# KiCad board scanhead_pcb.kicad_pcb (continued)
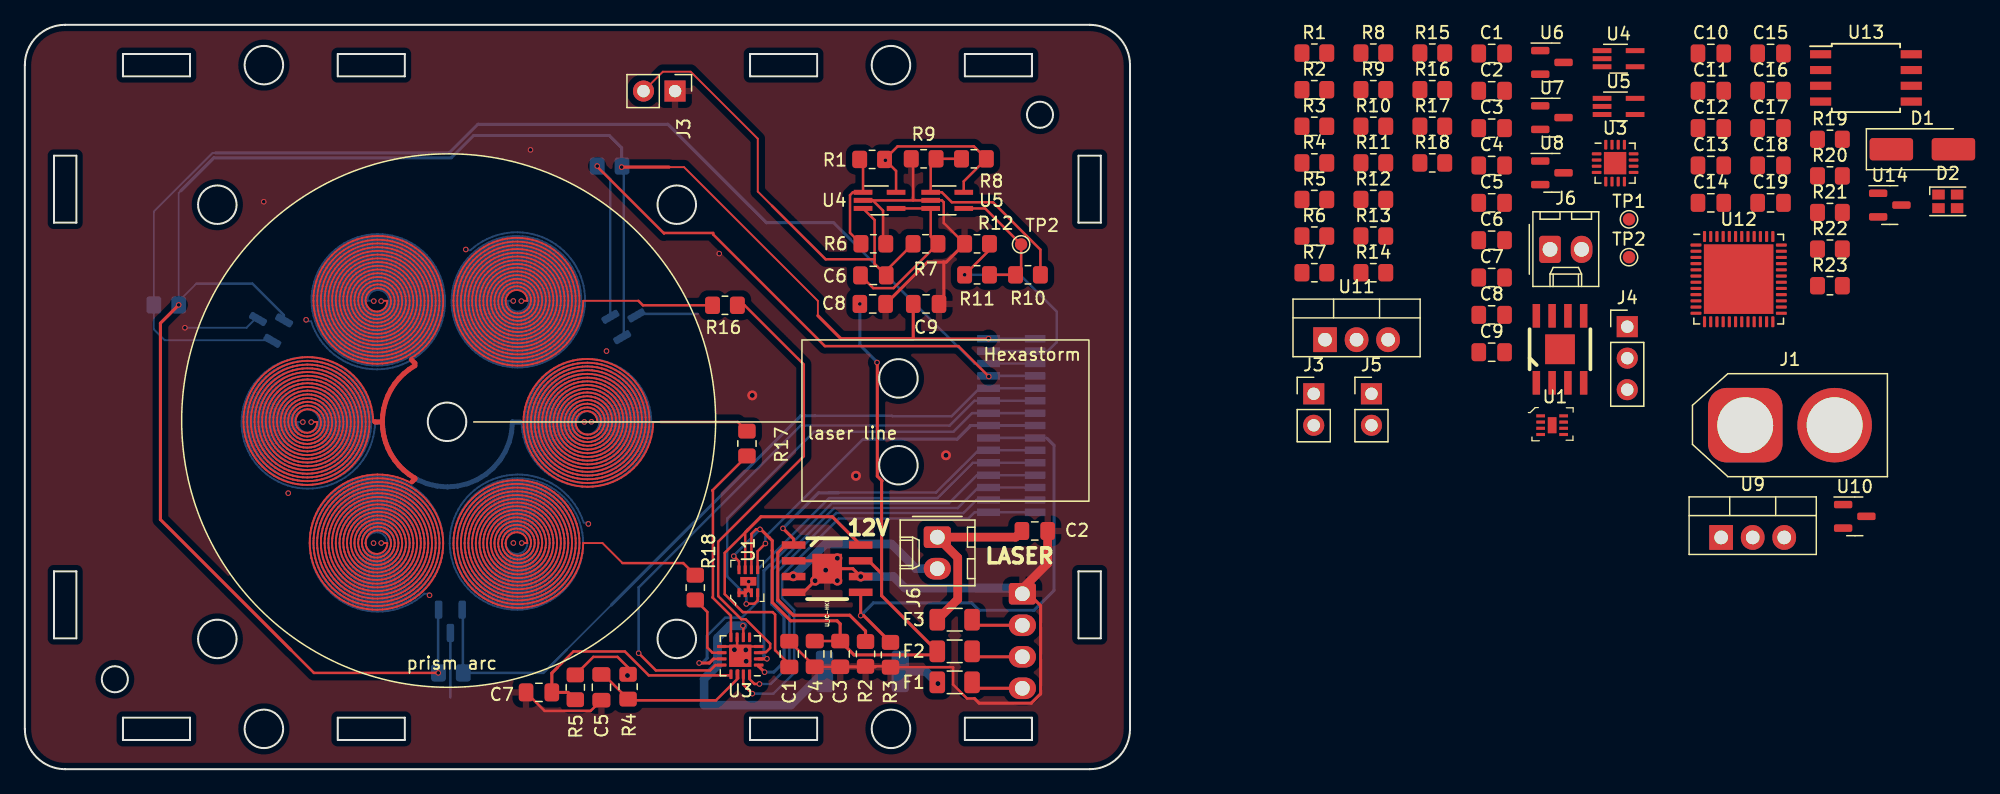
[diagram p0: board, top side]
## Routing (per net, layer and track width the routed paths; a pad name or vN(x,y) marks a point on that pad's centre or on a via; arc(x,y) is an arc through that point) (continued)
  In1.Cu w0.4: 31.12,32.96 31.41,32.68 31.41,32.53 30.73,32.06 30.13,31.49 29.63,30.84 29.24,30.12 28.97,29.34 28.82,28.54 28.8,27.72 28.9,26.9 29.14,26.11 29.49,25.37 29.96,24.69 30.52,24.1 31.17,23.6 31.9,23.2 32.67,22.93 33.48,22.78 34.3,22.76 35.12,22.87 35.9,23.1 36.65,23.45 36.65,23.15 36.87,22.92
  In2.Cu w0.15: 36.9,32.95 37.27,32.76 37.65,32.6 38.04,32.46 38.44,32.36 38.85,32.29 39.26,32.24 39.68,32.23 40.09,32.25 40.5,32.3 40.9,32.38 41.3,32.49 41.69,32.63 42.06,32.8 42.43,32.99 42.77,33.22 43.1,33.46 43.41,33.73 43.7,34.03 43.96,34.34 44.2,34.67 44.42,35.02 44.61,35.38 44.77,35.76 44.9,36.15 45,36.54 45.07,36.94 45.11,37.35 45.13,37.76 45.11,38.16 45.06,38.57 44.98,38.97 44.87,39.36 44.73,39.74 44.57,40.11 44.37,40.47 44.16,40.81 43.91,41.14 43.65,41.44 43.36,41.72 43.05,41.98 42.72,42.22 42.38,42.43 42.02,42.62 41.65,42.78 41.26,42.91 40.87,43.01 40.48,43.08 40.08,43.12 39.68,43.13 39.28,43.11 38.88,43.07 38.48,42.99 38.1,42.88 37.72,42.74 37.35,42.58 37,42.39 36.66,42.17 36.35,41.93 36.04,41.67 35.77,41.39 35.51,41.08 35.27,40.76 35.06,40.42 34.88,40.07 34.73,39.7 34.6,39.32 34.5,38.94 34.43,38.55 34.39,38.15 34.38,37.76 34.4,37.34 34.45,36.93 34.53,36.52 34.65,36.12 34.8,35.74 34.97,35.36 35.18,35 35.41,34.66 35.67,34.34 35.96,34.04 36.26,33.76 36.59,33.51 36.93,33.28 37.29,33.08 37.67,32.91 38.06,32.77 38.45,32.67 38.86,32.59 39.27,32.54 39.68,32.53 40.09,32.55 40.49,32.6 40.89,32.69 41.29,32.8 41.67,32.95 42.04,33.12 42.39,33.32 42.73,33.55 43.05,33.81 43.34,34.09 43.62,34.39 43.87,34.71 44.09,35.05 44.29,35.41 44.45,35.78 44.59,36.16 44.7,36.55 44.77,36.95 44.81,37.35 44.83,37.76 44.81,38.16 44.76,38.56 44.67,38.96 44.56,39.34 44.42,39.72 44.25,40.09 44.05,40.43 43.82,40.77 43.57,41.08 43.29,41.37 42.99,41.64 42.68,41.89 42.34,42.11 41.99,42.3 41.63,42.46 41.25,42.6 40.86,42.7 40.47,42.78 40.07,42.82 39.68,42.83 39.28,42.81 38.88,42.76 38.49,42.68 38.11,42.57 37.74,42.43 37.38,42.26 37.04,42.06 36.71,41.84 36.4,41.59 36.11,41.32 35.85,41.03 35.61,40.71 35.39,40.38 35.2,40.04 35.04,39.68 34.91,39.31 34.8,38.93 34.73,38.54 34.69,38.15 34.68,37.76 34.7,37.34 34.75,36.94 34.84,36.53 34.96,36.14 35.12,35.76 35.3,35.39 35.51,35.04 35.76,34.71 36.02,34.4 36.32,34.11 36.63,33.85 36.97,33.61 37.32,33.41 37.69,33.23 38.07,33.08 38.46,32.97 38.86,32.89 39.27,32.85 39.68,32.83 40.08,32.85 40.49,32.91 40.88,32.99 41.27,33.11 41.65,33.27 42.01,33.45 42.36,33.66 42.68,33.9 42.99,34.16 43.27,34.45 43.53,34.76 43.76,35.09 43.96,35.44 44.14,35.8 44.28,36.18 44.39,36.56 44.47,36.96 44.51,37.36 44.53,37.76 44.51,38.16 44.45,38.55 44.37,38.95 44.25,39.33 44.1,39.7 43.92,40.05 43.71,40.4 43.48,40.72 43.22,41.02 42.93,41.3 42.63,41.55 42.3,41.78 41.96,41.98 41.6,42.15 41.23,42.29 40.85,42.4 40.46,42.48 40.07,42.52 39.68,42.53 39.28,42.51 38.89,42.46 38.51,42.37 38.13,42.26 37.77,42.11 37.42,41.94 37.08,41.73 36.76,41.5 36.47,41.24 36.19,40.96 35.94,40.66 35.72,40.34 35.52,40.01 35.35,39.65 35.22,39.29 35.11,38.91 35.03,38.53 34.99,38.15 34.98,37.76 35,37.35 35.06,36.94 35.15,36.54 35.28,36.16 35.44,35.78 35.63,35.42 35.85,35.08 36.1,34.76 36.38,34.46 36.68,34.19 37.01,33.95 37.35,33.73 37.71,33.55 38.09,33.4 38.48,33.28 38.87,33.19 39.27,33.15 39.68,33.13 40.08,33.15 40.48,33.21 40.87,33.3 41.25,33.43 41.62,33.58 41.98,33.77 42.31,33.99 42.63,34.24 42.92,34.51 43.19,34.81 43.43,35.13 43.64,35.47 43.82,35.83 43.97,36.2 44.08,36.58 44.17,36.97 44.21,37.36 44.23,37.76 44.2,38.15 44.15,38.55 44.06,38.93 43.94,39.31 43.78,39.67 43.6,40.02 43.38,40.35 43.14,40.66 42.87,40.95 42.57,41.21 42.26,41.45 41.93,41.65 41.58,41.83 41.21,41.98 40.84,42.09 40.45,42.17 40.07,42.22 39.68,42.23 39.29,42.21 38.9,42.16 38.52,42.07 38.15,41.95 37.79,41.79 37.45,41.61 37.13,41.4 36.82,41.16 36.54,40.9 36.28,40.61 36.05,40.3 35.84,39.97 35.67,39.63 35.53,39.27 35.41,38.9 35.34,38.52 35.29,38.14 35.28,37.76 35.3,37.35 35.36,36.95 35.46,36.56 35.59,36.17 35.76,35.81 35.96,35.46 36.19,35.12 36.45,34.82 36.74,34.54 37.05,34.28 37.39,34.06 37.74,33.87 38.11,33.71 38.49,33.58 38.88,33.5 39.28,33.45 39.68,33.43 40.08,33.46 40.47,33.51 40.86,33.61 41.23,33.74 41.59,33.91 41.94,34.1 42.26,34.33 42.57,34.59 42.84,34.87 43.09,35.18 43.31,35.51 43.5,35.85 43.66,36.22 43.78,36.59 43.86,36.97 43.91,37.36 43.93,37.76 43.9,38.15 43.85,38.54 43.75,38.92 43.62,39.29 43.46,39.64 43.27,39.98 43.04,40.3 42.79,40.6 42.51,40.87 42.21,41.11 41.89,41.33 41.55,41.51 41.19,41.67 40.82,41.79 40.45,41.87 40.06,41.92 39.68,41.93 39.29,41.91 38.91,41.85 38.54,41.76 38.17,41.63 37.83,41.48 37.49,41.28 37.18,41.06 36.89,40.82 36.62,40.54 36.38,40.25 36.17,39.93 35.99,39.59 35.84,39.24 35.72,38.88 35.64,38.51 35.59,38.14 35.58,37.76 35.6,37.36 35.66,36.96 35.77,36.57 35.91,36.2 36.08,35.84 36.29,35.5 36.53,35.18 36.8,34.88 37.1,34.62 37.42,34.39 37.77,34.19 38.13,34.02 38.5,33.89 38.89,33.8 39.28,33.75 39.68,33.73 40.07,33.76 40.46,33.82 40.84,33.92 41.21,34.06 41.56,34.23 41.9,34.43 42.21,34.67 42.5,34.94 42.76,35.23 42.98,35.55 43.18,35.88 43.34,36.24 43.47,36.61 43.56,36.99 43.61,37.37 43.63,37.76 43.6,38.14 43.54,38.53 43.44,38.9 43.31,39.26 43.14,39.61 42.94,39.94 42.7,40.24 42.44,40.52 42.16,40.78 41.84,41 41.51,41.2 41.17,41.35 40.81,41.48 40.43,41.57 40.06,41.62 39.68,41.63 39.3,41.61 38.92,41.55 38.56,41.45 38.2,41.32 37.86,41.15 37.54,40.96 37.24,40.73 36.96,40.47 36.71,40.19 36.49,39.88 36.3,39.56 36.15,39.22 36.03,38.86 35.94,38.5 35.89,38.13 35.88,37.76 35.9,37.36 35.97,36.97 36.08,36.59 36.22,36.22 36.41,35.87 36.63,35.54 36.88,35.24 37.16,34.96 37.47,34.72 37.8,34.51 38.15,34.34 38.52,34.2 38.9,34.1 39.29,34.05 39.68,34.03 40.07,34.06 40.45,34.12 40.82,34.23 41.18,34.37 41.53,34.55 41.85,34.77 42.15,35.02 42.41,35.29 42.65,35.59 42.86,35.92 43.03,36.26 43.16,36.62 43.26,37 43.31,37.38 43.33,37.76 43.3,38.14 43.24,38.51 43.13,38.88 42.99,39.23 42.82,39.57 42.61,39.89 42.36,40.18 42.09,40.44 41.8,40.67 41.48,40.88 41.14,41.04 40.79,41.17 40.42,41.26 40.05,41.32 39.68,41.33 39.3,41.31 38.94,41.24 38.58,41.14 38.23,41.01 37.9,40.83 37.59,40.63 37.31,40.39 37.05,40.12 36.82,39.83 36.62,39.52 36.46,39.19 36.33,38.84 36.24,38.49 36.19,38.12 36.18,37.76 36.2,37.37 36.27,36.98 36.39,36.61 36.54,36.25 36.74,35.91 36.97,35.6 37.23,35.31 37.52,35.05 37.84,34.83 38.18,34.65 38.54,34.51 38.91,34.41 39.29,34.35 39.68,34.33 40.06,34.36 40.44,34.43 40.8,34.54 41.15,34.69 41.48,34.88 41.79,35.1 42.07,35.36 42.32,35.65 42.54,35.96 42.71,36.29 42.85,36.65 42.95,37.01 43.01,37.38 43.03,37.76 43,38.13 42.93,38.5 42.82,38.86 42.68,39.2 42.49,39.53 42.27,39.83 42.02,40.1 41.74,40.34 41.43,40.55 41.11,40.73 40.76,40.86 40.41,40.96 40.04,41.02 39.68,41.03 39.31,41.01 38.95,40.94 38.6,40.83 38.26,40.69 37.95,40.51 37.65,40.29 37.39,40.05 37.15,39.77 36.94,39.47 36.77,39.16 36.64,38.82 36.55,38.47 36.49,38.12 36.48,37.76 36.51,37.37 36.58,36.99 36.7,36.63 36.86,36.28 37.07,35.96 37.31,35.66 37.58,35.39 37.88,35.16 38.21,34.97 38.56,34.82 38.93,34.71 39.3,34.65 39.68,34.63 40.05,34.66 40.42,34.73 40.78,34.85 41.12,35.01 41.44,35.21 41.73,35.44 41.99,35.71 42.21,36.01 42.4,36.33 42.54,36.67 42.65,37.02 42.71,37.39 42.73,37.76 42.7,38.12 42.63,38.48 42.51,38.83 42.36,39.16 42.16,39.47 41.93,39.76 41.67,40.01 41.38,40.23 41.07,40.41 40.74,40.56 40.39,40.66 40.04,40.72 39.68,40.73 39.32,40.71 38.97,40.63 38.63,40.52 38.3,40.37 38,40.18 37.73,39.96 37.48,39.7 37.27,39.42 37.09,39.12 36.95,38.79 36.85,38.45 36.79,38.11 36.78,37.76 36.81,37.38 36.89,37.01 37.01,36.65 37.19,36.32 37.4,36.01 37.65,35.73 37.94,35.49 38.25,35.29 38.59,35.13 38.94,35.02 39.31,34.95 39.68,34.93 40.04,34.96 40.4,35.04 40.75,35.16 41.08,35.33 41.38,35.54 41.65,35.79 41.88,36.06 42.08,36.37 42.23,36.7 42.34,37.04 42.41,37.4 42.43,37.76 42.4,38.12 42.32,38.47 42.2,38.8 42.04,39.12 41.83,39.41 41.59,39.68 41.32,39.9 41.03,40.1 40.71,40.25 40.37,40.35 40.03,40.42 39.68,40.43 39.33,40.4 38.99,40.33 38.66,40.21 38.35,40.05 38.07,39.85 37.81,39.62 37.59,39.36 37.4,39.07 37.26,38.76 37.15,38.43 37.09,38.1 37.08,37.76 37.11,37.39 37.19,37.03 37.33,36.69 37.51,36.37 37.74,36.08 38,35.82 38.3,35.61 38.62,35.44 38.96,35.32 39.32,35.25 39.68,35.23 40.03,35.26 40.38,35.35 40.72,35.48 41.03,35.66 41.31,35.87 41.55,36.13 41.76,36.42 41.92,36.73 42.04,37.06 42.11,37.41 42.13,37.76 42.09,38.11 42.01,38.44 41.89,38.77 41.71,39.07 41.5,39.34 41.25,39.58 40.98,39.78 40.67,39.94 40.35,40.05 40.02,40.12 39.68,40.13 39.34,40.1 39.01,40.02 38.7,39.9 38.41,39.73 38.14,39.53 37.91,39.29 37.72,39.02 37.57,38.72 37.46,38.41 37.39,38.09 37.38,37.76 37.41,37.4 37.5,37.05 37.65,36.72 37.84,36.42 38.08,36.16 38.35,35.93 38.66,35.75 38.98,35.63 39.33,35.55 39.68,35.53 40.02,35.57 40.36,35.66 40.68,35.8 40.97,35.98 41.22,36.21 41.44,36.48 41.61,36.77 41.74,37.09 41.81,37.42 41.83,37.76 41.79,38.09 41.71,38.42 41.57,38.72 41.39,39 41.17,39.25 40.91,39.46 40.63,39.63 40.32,39.75 40,39.81 39.68,39.83 39.35,39.8 39.04,39.72 38.74,39.59 38.47,39.41 38.24,39.2 38.03,38.95 37.87,38.68 37.76,38.38 37.69,38.07 37.68,37.76 37.72,37.41 37.81,37.08 37.97,36.77 38.17,36.49 38.42,36.26 38.7,36.07 39.01,35.93 39.34,35.85 39.68,35.83 40.01,35.87 40.33,35.96 40.63,36.11 40.89,36.31 41.12,36.55 41.3,36.82 41.43,37.12 41.51,37.43 41.53,37.76 41.49,38.08 41.4,38.38 41.26,38.67 41.07,38.93 40.84,39.14 40.58,39.32 40.29,39.44 39.99,39.51 39.68,39.53 39.37,39.5 39.08,39.41 38.8,39.27 38.56,39.09 38.35,38.87 38.18,38.62 38.06,38.34 37.99,38.05 37.98,37.76 38.02,37.43 38.12,37.11 38.29,36.83 38.5,36.58 38.76,36.38 39.05,36.24 39.36,36.15 39.68,36.13 39.99,36.17 40.29,36.27 40.56,36.43 40.8,36.63 40.99,36.88 41.13,37.16 41.21,37.45 41.23,37.76 41.19,38.06 41.09,38.34 40.94,38.6 40.75,38.83 40.51,39.01 40.25,39.14 39.97,39.21 39.68,39.23 39.39,39.19 39.12,39.1 38.87,38.96 38.66,38.77 38.49,38.55 38.37,38.3 38.29,38.03 38.28,37.76 38.32,37.45 38.43,37.16 38.61,36.9 38.83,36.7 39.09,36.54 39.38,36.46 39.68,36.43 39.97,36.48 40.24,36.58 40.48,36.75 40.68,36.96 40.82,37.21 40.91,37.48 40.93,37.76 40.88,38.03 40.78,38.29 40.63,38.52 40.43,38.7 40.2,38.84 39.94,38.91 39.68,38.93 39.42,38.89 39.18,38.8 38.96,38.65 38.79,38.46 38.67,38.24 38.59,38 38.58,37.76 38.63,37.48 38.75,37.22 38.93,37.01 39.15,36.85 39.41,36.76 39.68,36.73 39.94,36.78 40.18,36.89 40.37,37.06 40.52,37.27 40.61,37.51 40.63,37.76 40.58,38 40.48,38.22 40.32,38.4 40.13,38.54 39.91,38.61 39.68,38.63 39.45,38.59 39.25,38.49 39.08,38.35 38.96,38.17 38.89,37.97 38.88,37.76 39.33,37.76 ; 28.75,37.76 29.2,37.76 29.19,37.97 29.12,38.17 28.99,38.35 28.83,38.49 28.62,38.59 28.4,38.63 28.17,38.61 27.95,38.54 27.76,38.4 27.6,38.22 27.5,38 27.45,37.76 27.47,37.51 27.56,37.27 27.7,37.06 27.9,36.89 28.14,36.78 28.4,36.73 28.67,36.76 28.93,36.85 29.15,37.01 29.33,37.22 29.45,37.48 29.5,37.76 29.48,38 29.41,38.24 29.29,38.46 29.11,38.65 28.9,38.8 28.66,38.89 28.4,38.93 28.14,38.91 27.88,38.84 27.65,38.7 27.45,38.52 27.29,38.29 27.19,38.03 27.15,37.76 27.17,37.48 27.26,37.21 27.4,36.96 27.6,36.75 27.84,36.58 28.11,36.48 28.4,36.43 28.7,36.46 28.99,36.54 29.25,36.7 29.47,36.9 29.64,37.16 29.76,37.45 29.8,37.76 29.78,38.03 29.71,38.3 29.59,38.55 29.42,38.77 29.21,38.96 28.96,39.1 28.69,39.19 28.4,39.23 28.11,39.21 27.83,39.14 27.57,39.01 27.33,38.83 27.14,38.6 26.99,38.34 26.89,38.06 26.85,37.76 26.87,37.45 26.95,37.16 27.09,36.88 27.28,36.63 27.51,36.43 27.79,36.27 28.09,36.17 28.4,36.13 28.72,36.15 29.03,36.24 29.32,36.38 29.58,36.58 29.79,36.83 29.95,37.11 30.06,37.43 30.1,37.76 30.08,38.05 30.01,38.34 29.9,38.62 29.73,38.87 29.52,39.09 29.28,39.27 29,39.41 28.71,39.5 28.4,39.53 28.09,39.51 27.79,39.44 27.5,39.32 27.24,39.14 27.01,38.93 26.82,38.67 26.68,38.38 26.59,38.08 26.55,37.76 26.57,37.43 26.65,37.12 26.78,36.82 26.96,36.55 27.19,36.31 27.45,36.11 27.75,35.96 28.07,35.87 28.4,35.83 28.74,35.85 29.07,35.93 29.38,36.07 29.66,36.26 29.91,36.49 30.11,36.77 30.27,37.08 30.36,37.41 30.4,37.76 30.38,38.07 30.32,38.38 30.2,38.68 30.04,38.95 29.84,39.2 29.6,39.41 29.33,39.59 29.04,39.72 28.72,39.8 28.4,39.83 28.08,39.81 27.76,39.75 27.45,39.63 27.16,39.46 26.91,39.25 26.69,39 26.51,38.72 26.37,38.42 26.29,38.09 26.25,37.76 26.27,37.42 26.34,37.09 26.47,36.77 26.64,36.48 26.85,36.21 27.11,35.98 27.4,35.8 27.72,35.66 28.05,35.57 28.4,35.53 28.75,35.55 29.09,35.63 29.42,35.75 29.73,35.93 30,36.16 30.24,36.42 30.43,36.72 30.57,37.05 30.67,37.4 30.7,37.76 30.68,38.09 30.62,38.41 30.51,38.72 30.36,39.02 30.17,39.29 29.93,39.53 29.67,39.73 29.38,39.9 29.07,40.02 28.74,40.1 28.4,40.13 28.06,40.12 27.73,40.05 27.41,39.94 27.1,39.78 26.82,39.58 26.58,39.34 26.36,39.07 26.19,38.77 26.06,38.44 25.98,38.11 25.95,37.76 25.97,37.41 26.04,37.06 26.15,36.73 26.32,36.42 26.52,36.13 26.77,35.87 27.05,35.66 27.36,35.48 27.69,35.35 28.04,35.26 28.4,35.23 28.76,35.25 29.12,35.32 29.46,35.44 29.78,35.61 30.08,35.82 30.34,36.08 30.57,36.37 30.75,36.69 30.88,37.03 30.97,37.39 31,37.76 30.99,38.1 30.92,38.43 30.82,38.76 30.67,39.07 30.49,39.36 30.27,39.62 30.01,39.85 29.73,40.05 29.42,40.21 29.09,40.33 28.75,40.4 28.4,40.43 28.05,40.42 27.71,40.35 27.37,40.25 27.05,40.1 26.75,39.9 26.48,39.68 26.24,39.41 26.04,39.12 25.88,38.8 25.76,38.47 25.68,38.12 25.65,37.76 25.67,37.4 25.73,37.04 25.84,36.7 26,36.37 26.19,36.06 26.43,35.79 26.7,35.54 27,35.33 27.33,35.16 27.67,35.04 28.03,34.96 28.4,34.93 28.77,34.95 29.14,35.02 29.49,35.13 29.83,35.29 30.14,35.49 30.43,35.73 30.68,36.01 30.89,36.32 31.06,36.65 31.19,37.01 31.27,37.38 31.3,37.76 31.29,38.11 31.23,38.45 31.13,38.79 30.99,39.12 30.81,39.42 30.6,39.7 30.35,39.96 30.08,40.18 29.77,40.37 29.45,40.52 29.11,40.63 28.76,40.71 28.4,40.73 28.04,40.72 27.69,40.66 27.34,40.56 27.01,40.41 26.7,40.23 26.41,40.01 26.14,39.76 25.92,39.47 25.72,39.16 25.57,38.83 25.45,38.48 25.38,38.12 25.35,37.76 25.37,37.39 25.43,37.02 25.53,36.67 25.68,36.33 25.87,36.01 26.09,35.71 26.35,35.44 26.64,35.21 26.96,35.01 27.3,34.85 27.66,34.73 28.03,34.66 28.4,34.63 28.78,34.65 29.15,34.71 29.52,34.82 29.86,34.97 30.19,35.16 30.5,35.39 30.77,35.66 31.01,35.96 31.21,36.28 31.38,36.63 31.5,36.99 31.57,37.37 31.6,37.76 31.59,38.12 31.53,38.47 31.44,38.82 31.3,39.16 31.13,39.47 30.93,39.77 30.69,40.05 30.42,40.29 30.13,40.51 29.81,40.69 29.48,40.83 29.13,40.94 28.77,41.01 28.4,41.03 28.03,41.02 27.67,40.96 27.31,40.86 26.97,40.73 26.64,40.55 26.34,40.34 26.06,40.1 25.81,39.83 25.59,39.53 25.4,39.2 25.25,38.86 25.15,38.5 25.08,38.13 25.05,37.76 25.07,37.38 25.12,37.01 25.22,36.65 25.36,36.29 25.54,35.96 25.76,35.65 26.01,35.36 26.29,35.1 26.59,34.88 26.92,34.69 27.28,34.54 27.64,34.43 28.02,34.36 28.4,34.33 28.79,34.35 29.17,34.41 29.54,34.51 29.9,34.65 30.24,34.83 30.56,35.05 30.85,35.31 31.11,35.6 31.34,35.91 31.54,36.25 31.69,36.61 31.8,36.98 31.87,37.37 31.9,37.76 31.89,38.12 31.83,38.49 31.74,38.84 31.62,39.19 31.45,39.52 31.26,39.83 31.03,40.12 30.77,40.39 30.49,40.63 30.18,40.83 29.85,41.01 29.5,41.14 29.14,41.24 28.77,41.31 28.4,41.33 28.03,41.32 27.66,41.26 27.29,41.17 26.94,41.04 26.6,40.88 26.28,40.67 25.99,40.44 25.71,40.18 25.47,39.89 25.26,39.57 25.09,39.23 24.94,38.88 24.84,38.51 24.78,38.14 24.75,37.76 24.77,37.38 24.82,37 24.92,36.62 25.05,36.26 25.22,35.92 25.42,35.59 25.66,35.29 25.93,35.02 26.23,34.77 26.55,34.55 26.89,34.37 27.25,34.23 27.63,34.12 28.01,34.06 28.4,34.03 28.79,34.05 29.18,34.1 29.56,34.2 29.92,34.34 30.28,34.51 30.61,34.72 30.92,34.96 31.2,35.24 31.45,35.54 31.67,35.87 31.85,36.22 32,36.59 32.11,36.97 32.18,37.36 32.2,37.76 32.19,38.13 32.14,38.5 32.05,38.86 31.93,39.22 31.77,39.56 31.58,39.88 31.36,40.19 31.11,40.47 30.84,40.73 30.54,40.96 30.22,41.15 29.88,41.32 29.52,41.45 29.16,41.55 28.78,41.61 28.4,41.63 28.02,41.62 27.64,41.57 27.27,41.48 26.91,41.35 26.56,41.2 26.23,41 25.92,40.78 25.63,40.52 25.37,40.24 25.14,39.94 24.94,39.61 24.77,39.26 24.63,38.9 24.54,38.53 24.48,38.14 24.45,37.76 24.47,37.37 24.52,36.99 24.61,36.61 24.73,36.24 24.9,35.88 25.09,35.55 25.32,35.23 25.58,34.94 25.87,34.67 26.18,34.43 26.52,34.23 26.87,34.06 27.24,33.92 27.62,33.82 28.01,33.76 28.4,33.73 28.8,33.75 29.19,33.8 29.57,33.89 29.95,34.02 30.31,34.19 30.65,34.39 30.98,34.62 31.27,34.88 31.55,35.18 31.79,35.5 32,35.84 32.17,36.2 32.31,36.57 32.41,36.96 32.48,37.36 32.5,37.76 32.49,38.14 32.44,38.51 32.36,38.88 32.24,39.24 32.09,39.59 31.91,39.93 31.7,40.25 31.46,40.54 31.19,40.82 30.9,41.06 30.59,41.28 30.25,41.48 29.9,41.63 29.54,41.76 29.17,41.85 28.79,41.91 28.4,41.93 28.02,41.92 27.63,41.87 27.26,41.79 26.89,41.67 26.53,41.51 26.19,41.33 25.87,41.11 25.56,40.87 25.29,40.6 25.03,40.3 24.81,39.98 24.62,39.64 24.45,39.29 24.33,38.92 24.23,38.54 24.17,38.15 24.15,37.76 24.17,37.36 24.22,36.97 24.3,36.59 24.42,36.22 24.58,35.85 24.77,35.51 24.99,35.18 25.23,34.87 25.51,34.59 25.81,34.33 26.14,34.1 26.48,33.91 26.85,33.74 27.22,33.61 27.61,33.51 28,33.46 28.4,33.43 28.8,33.45 29.2,33.5 29.59,33.58 29.97,33.71 30.34,33.87 30.69,34.06 31.03,34.28 31.34,34.54 31.63,34.82 31.89,35.12 32.12,35.46 32.32,35.81 32.49,36.17 32.62,36.56 32.72,36.95 32.78,37.35 32.8,37.76 32.79,38.14 32.74,38.52 32.66,38.9 32.55,39.27 32.41,39.63 32.23,39.97 32.03,40.3 31.8,40.61 31.54,40.9 31.26,41.16 30.95,41.4 30.63,41.61 30.28,41.79 29.93,41.95 29.56,42.07 29.18,42.16 28.79,42.21 28.4,42.23 28.01,42.22 27.62,42.17 27.24,42.09 26.87,41.98 26.5,41.83 26.15,41.65 25.82,41.45 25.5,41.21 25.21,40.95 24.94,40.66 24.7,40.35 24.48,40.02 24.3,39.67 24.14,39.31 24.02,38.93 23.93,38.55 23.87,38.15 23.85,37.76 23.86,37.36 23.91,36.97 23.99,36.58 24.11,36.2 24.26,35.83 24.44,35.47 24.65,35.13 24.89,34.81 25.16,34.51 25.45,34.24 25.77,33.99 26.1,33.77 26.46,33.58 26.83,33.43 27.21,33.3 27.6,33.21 28,33.15 28.4,33.13 28.8,33.15 29.21,33.19 29.6,33.28 29.99,33.4 30.36,33.55 30.73,33.73 31.07,33.95 31.4,34.19 31.7,34.46 31.98,34.76 32.23,35.08 32.45,35.42 32.64,35.78 32.8,36.16 32.93,36.54 33.02,36.94 33.08,37.35 33.1,37.76 33.09,38.15 33.05,38.53 32.97,38.91 32.86,39.29 32.72,39.65 32.56,40.01 32.36,40.34 32.14,40.66 31.89,40.96 31.61,41.24 31.31,41.5 31,41.73 30.66,41.94 30.31,42.11 29.95,42.26 29.57,42.37 29.19,42.46 28.8,42.51 28.4,42.53 28.01,42.52 27.61,42.48 27.23,42.4 26.85,42.29 26.48,42.15 26.12,41.98 25.77,41.78 25.45,41.55 25.14,41.3 24.86,41.02 24.6,40.72 24.36,40.4 24.16,40.05 23.98,39.7 23.83,39.33 23.71,38.95 23.63,38.55 23.57,38.16 23.55,37.76 23.56,37.36 23.61,36.96 23.69,36.56 23.8,36.18 23.94,35.8 24.12,35.44 24.32,35.09 24.55,34.76 24.81,34.45 25.09,34.16 25.4,33.9 25.72,33.66 26.07,33.45 26.43,33.27 26.81,33.11 27.2,32.99 27.59,32.91 28,32.85 28.4,32.83 28.81,32.85 29.21,32.89 29.61,32.97 30.01,33.08 30.39,33.23 30.76,33.41 31.11,33.61 31.45,33.85 31.76,34.11 32.05,34.4 32.32,34.71 32.56,35.04 32.78,35.39 32.96,35.76 33.12,36.14 33.24,36.53 33.33,36.94 33.38,37.34 33.4,37.76 33.39,38.15 33.35,38.54 33.27,38.93 33.17,39.31 33.04,39.68 32.88,40.04 32.69,40.38 32.47,40.71 32.23,41.03 31.96,41.32 31.68,41.59 31.37,41.84 31.04,42.06 30.7,42.26 30.34,42.43 29.97,42.57 29.58,42.68 29.19,42.76 28.8,42.81 28.4,42.83 28,42.82 27.61,42.78 27.21,42.7 26.83,42.6 26.45,42.46 26.09,42.3 25.74,42.11 25.4,41.89 25.08,41.64 24.79,41.37 24.51,41.08 24.26,40.77 24.03,40.43 23.83,40.09 23.66,39.72 23.52,39.34 23.4,38.96 23.32,38.56 23.27,38.16 23.25,37.76 23.26,37.35 23.31,36.95 23.38,36.55 23.49,36.16 23.63,35.78 23.79,35.41 23.99,35.05 24.21,34.71 24.46,34.39 24.73,34.09 25.03,33.81 25.35,33.55 25.69,33.32 26.04,33.12 26.41,32.95 26.79,32.8 27.18,32.69 27.59,32.6 27.99,32.55 28.4,32.53 28.81,32.54 29.22,32.59 29.62,32.67 30.02,32.77 30.41,32.91 30.78,33.08 31.15,33.28 31.49,33.51 31.82,33.76 32.12,34.04 32.41,34.34 32.66,34.66 32.9,35 33.1,35.36 33.28,35.74 33.43,36.12 33.54,36.52 33.63,36.93 33.68,37.34 33.7,37.76 33.69,38.15 33.65,38.55 33.58,38.94 33.48,39.32 33.35,39.7 33.2,40.07 33.01,40.42 32.8,40.76 32.57,41.08 32.31,41.39 32.03,41.67 31.73,41.93 31.41,42.17 31.08,42.39 30.72,42.58 30.36,42.74 29.98,42.88 29.6,42.99 29.2,43.07 28.8,43.11 28.4,43.13 28,43.12 27.6,43.08 27.2,43.01 26.81,42.91 26.43,42.78 26.06,42.62 25.7,42.43 25.36,42.22 25.03,41.98 24.72,41.72 24.43,41.44 24.17,41.14 23.92,40.81 23.7,40.47 23.51,40.11 23.34,39.74 23.21,39.36 23.1,38.97 23.02,38.57 22.97,38.16 22.95,37.76 22.96,37.35 23.01,36.94 23.08,36.54 23.01,36.54 22.7,36.23 ; 44.96,27.99 44.51,27.99 44.53,27.78 44.6,27.58 44.72,27.4 44.89,27.26 45.09,27.16 45.31,27.12 45.54,27.14 45.76,27.21 45.96,27.35 46.12,27.53 46.22,27.75 46.26,27.99 46.24,28.24 46.16,28.48 46.01,28.69 45.81,28.86 45.58,28.97 